# Altium PCB top.PcbDoc (part 5 of 5)
Units mil, origin at the board's own origin, x right, y up, seen from the top; angles counter-clockwise.
Board outline 12029.02 x 5828 mil, 2 copper layers (Top Layer, Bottom Layer); 703 components, 430 nets, 1840 pads, 2249 vias.
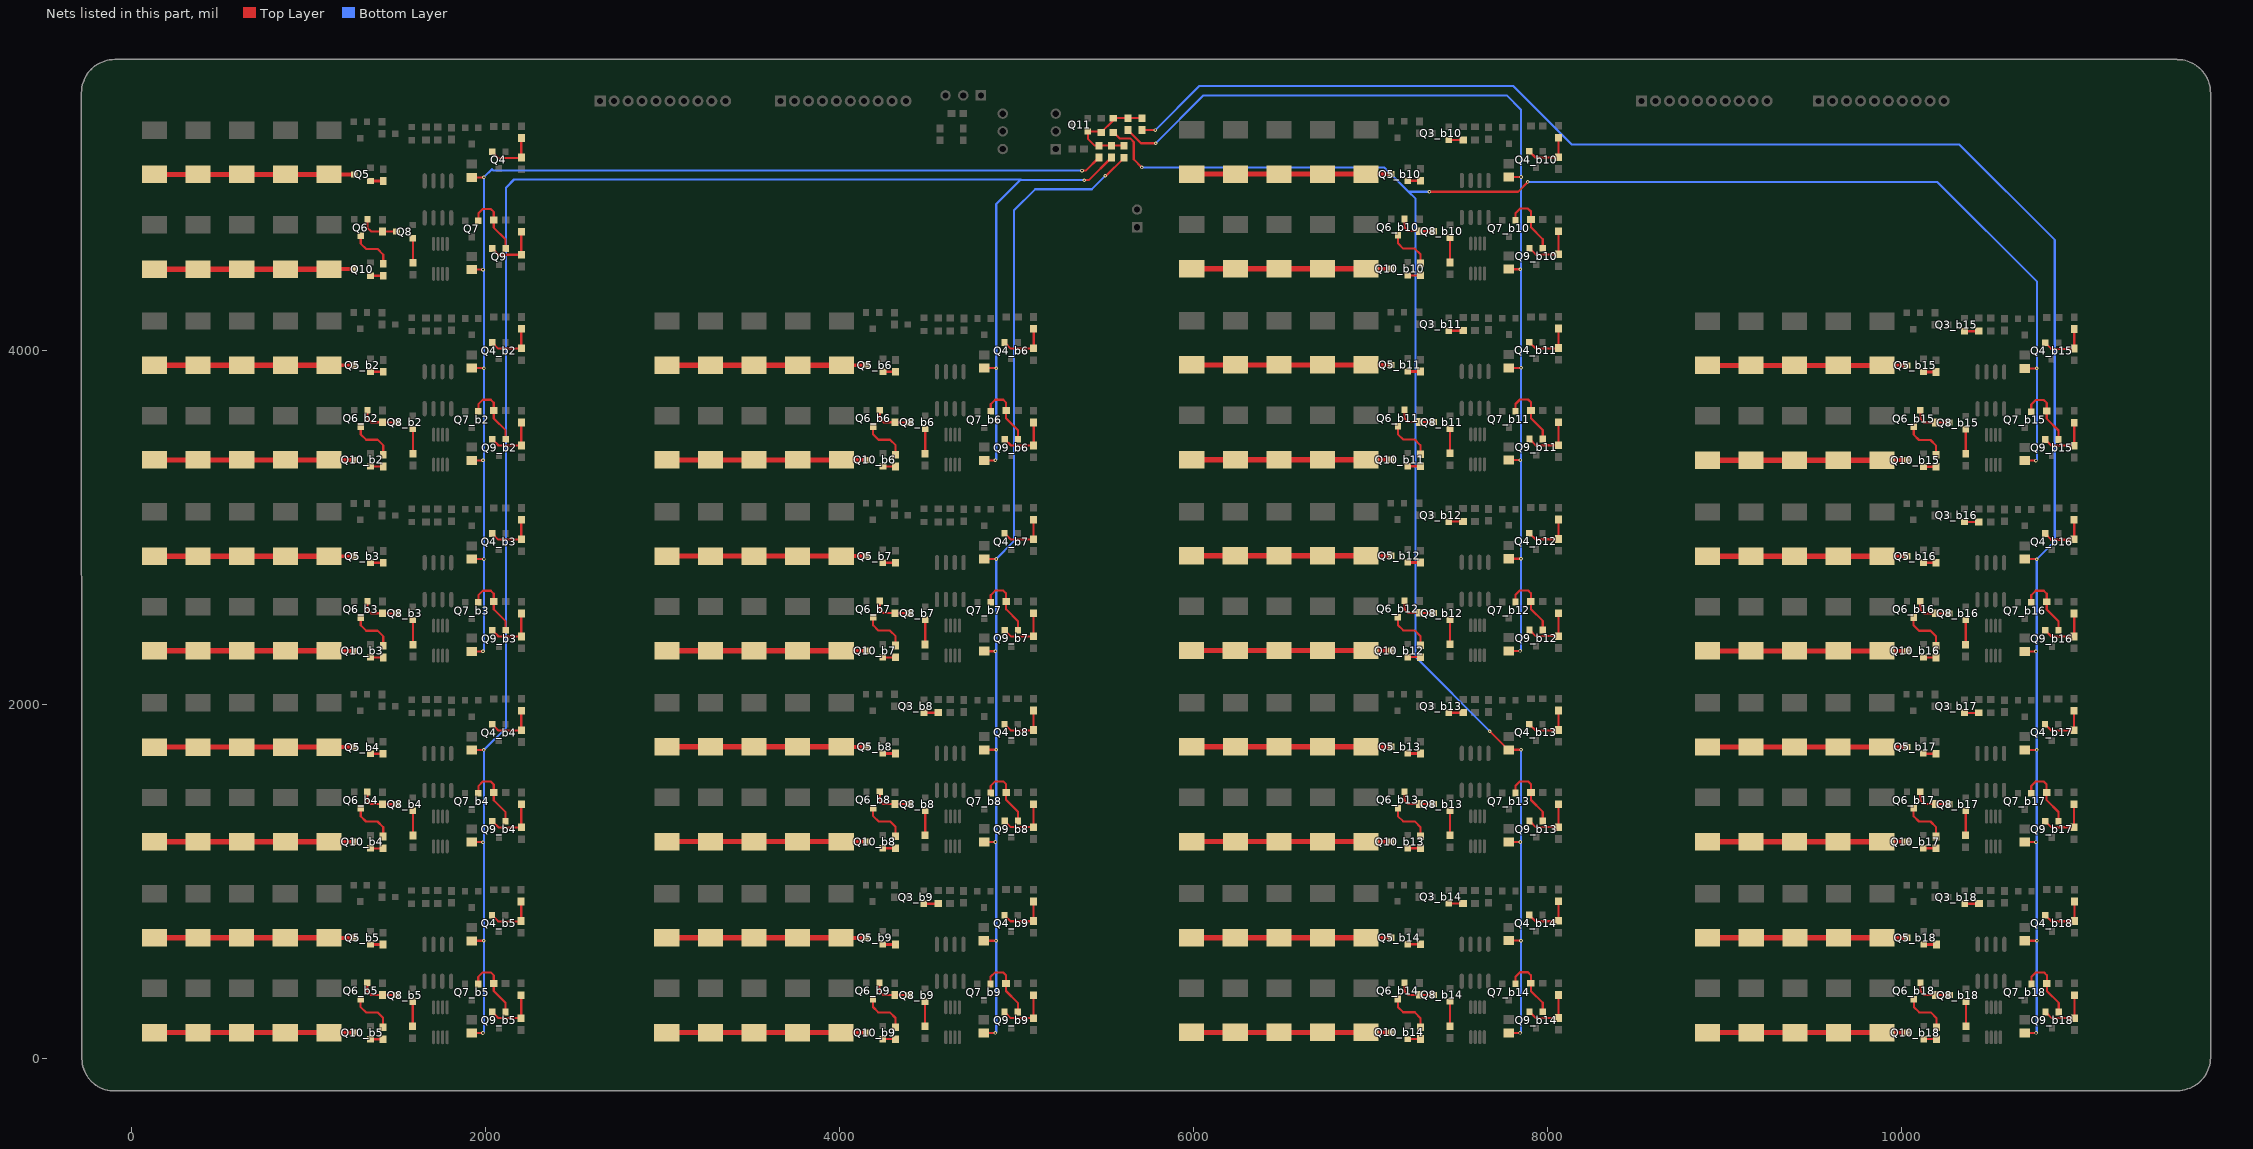
[diagram p5: the nets of this part, all layers, seen from the top]

## Via types
v1: diameter 20, hole 10, Top Layer to Bottom Layer, 2208 vias
v2: diameter 50, hole 28, Top Layer to Bottom Layer, 19 vias
v3: diameter 40, hole 20, Top Layer to Bottom Layer, 18 vias
v4: diameter 125.98, hole 125.98, Top Layer to Bottom Layer, 4 vias

## Nets (pads, with @x,y where several pads share a name; then routed paths per layer and width w, separated by ;. In a path a pad name is that pad's centre, name@x,y a point inside that pad or via, vN(x,y) a via of type N, cw(c..) or ccw(c..) an arc to the next point about the centre after c; other vN are vias at no path point) (continued)
NetQ3_b8_1: Q3_b8.1 R10_b8.1 | length 80.9
  Top Layer w12: Q3_b8.1@4479,1954.2 R10_b8.1@4559.87,1954.2
NetQ3_b9_1: Q3_b9.1 R10_b9.1 | length 80.9
  Top Layer w12: Q3_b9.1@4478,875.2 R10_b9.1@4558.87,875.2
NetQ3_b10_1: Q3_b10.1 R10_b10.1 | length 80.9
  Top Layer w12: Q3_b10.1@7444.13,5190.46 R10_b10.1@7525,5190.46
NetQ3_b11_1: Q3_b11.1 R10_b11.1 | length 80.9
  Top Layer w12: Q3_b11.1@7444,4112.2 R10_b11.1@7524.87,4112.2
NetQ3_b12_1: Q3_b12.1 R10_b12.1 | length 80.9
  Top Layer w12: Q3_b12.1@7443.72,3033.6 R10_b12.1@7524.6,3033.6
NetQ3_b13_1: Q3_b13.1 R10_b13.1 | length 80.9
  Top Layer w12: Q3_b13.1@7444,1954.2 R10_b13.1@7524.87,1954.2
NetQ3_b14_1: Q3_b14.1 R10_b14.1 | length 80.9
  Top Layer w12: Q3_b14.1@7443.72,875.74 R10_b14.1@7524.6,875.74
NetQ3_b15_1: Q3_b15.1 R10_b15.1 | length 80.9
  Top Layer w12: Q3_b15.1@10358.13,4109.46 R10_b15.1@10439,4109.46
NetQ3_b16_1: Q3_b16.1 R10_b16.1 | length 80.9
  Top Layer w12: Q3_b16.1@10358,3031.2 R10_b16.1@10438.87,3031.2
NetQ3_b17_1: Q3_b17.1 R10_b17.1 | length 80.9
  Top Layer w12: Q3_b17.1@10357.8,1953.6 R10_b17.1@10438.67,1953.6
NetQ3_b18_1: Q3_b18.1 R10_b18.1 | length 80.9
  Top Layer w12: Q3_b18.1@10359,875.2 R10_b18.1@10439.87,875.2
NetQ4_2: Q4.2 R8.1 R13.2 | length 290.8
  Top Layer w12: Q4.2@2039.6,5123.8 2074.3,5089.09 2204,5089.09 R13.2@2204,5091 R8.1@2204,5201.07
NetQ4_b2_2: Q4_b2.2 R8_b2.1 R13_b2.2 | length 290.8
  Top Layer w12: Q4_b2.2@2039.6,4045.72 2074.3,4011.02 2204,4011.02 R13_b2.2@2204,4012.93 R8_b2.1@2204,4123
NetQ4_b3_2: Q4_b3.2 R8_b3.1 R13_b3.2 | length 290.8
  Top Layer w12: Q4_b3.2@2039.6,2966.8 2074.3,2932.09 2204,2932.09 R13_b3.2@2204,2934 R8_b3.1@2204,3044.07
NetQ4_b4_2: Q4_b4.2 R8_b4.1 R13_b4.2 | length 290.8
  Top Layer w12: Q4_b4.2@2039.47,1888.46 2074.17,1853.76 2203.87,1853.76 R13_b4.2@2203.87,1855.66 R8_b4.1@2203.87,1965.73
NetQ4_b5_2: Q4_b5.2 R8_b5.1 R13_b5.2 | length 290.8
  Top Layer w12: Q4_b5.2@2039.06,810.33 2073.76,775.63 2203.46,775.63 R13_b5.2@2203.46,777.54 R8_b5.1@2203.46,887.61
NetQ4_b6_2: Q4_b6.2 R8_b6.1 R13_b6.2 | length 290.8
  Top Layer w12: Q4_b6.2@4934.6,4045.72 4969.3,4011.02 5099,4011.02 R13_b6.2@5099,4012.93 R8_b6.1@5099,4123
NetQ4_b7_2: Q4_b7.2 R8_b7.1 R13_b7.2 | length 290.8
  Top Layer w12: Q4_b7.2@4934.47,2967.46 4969.17,2932.76 5098.87,2932.76 R13_b7.2@5098.87,2934.66 R8_b7.1@5098.87,3044.73
NetQ4_b8_2: Q4_b8.2 R8_b8.1 R13_b8.2 | length 290.8
  Top Layer w12: Q4_b8.2@4934.47,1889.46 4969.17,1854.76 5098.87,1854.76 R13_b8.2@5098.87,1856.66 R8_b8.1@5098.87,1966.73
NetQ4_b9_2: Q4_b9.2 R8_b9.1 R13_b9.2 | length 290.8
  Top Layer w12: Q4_b9.2@4933.47,810.46 4968.17,775.76 5097.87,775.76 R13_b9.2@5097.87,777.66 R8_b9.1@5097.87,887.73
NetQ4_b10_2: Q4_b10.2 R8_b10.1 R13_b10.2 | length 290.8
  Top Layer w12: Q4_b10.2@7899.6,5125.72 7934.3,5091.02 8064,5091.02 R13_b10.2@8064,5092.93 R8_b10.1@8064,5203
NetQ4_b11_2: Q4_b11.2 R8_b11.1 R13_b11.2 | length 290.8
  Top Layer w12: Q4_b11.2@7899.47,4047.46 7934.17,4012.76 8063.87,4012.76 R13_b11.2@8063.87,4014.66 R8_b11.1@8063.87,4124.73
NetQ4_b12_2: Q4_b12.2 R8_b12.1 R13_b12.2 | length 290.8
  Top Layer w12: Q4_b12.2@7899.2,2968.86 7933.9,2934.16 8063.6,2934.16 R13_b12.2@8063.6,2936.06 R8_b12.1@8063.6,3046.13
NetQ4_b13_2: Q4_b13.2 R8_b13.1 R13_b13.2 | length 290.8
  Top Layer w12: Q4_b13.2@7899.47,1889.46 7934.17,1854.76 8063.87,1854.76 R13_b13.2@8063.87,1856.66 R8_b13.1@8063.87,1966.73
NetQ4_b14_2: Q4_b14.2 R8_b14.1 R13_b14.2 | length 290.8
  Top Layer w12: Q4_b14.2@7899.2,811 7933.9,776.3 8063.6,776.3 R13_b14.2@8063.6,778.2 R8_b14.1@8063.6,888.28
NetQ4_b15_2: Q4_b15.2 R8_b15.1 R13_b15.2 | length 290.8
  Top Layer w12: Q4_b15.2@10813.6,4044.72 10848.3,4010.02 10978,4010.02 R13_b15.2@10978,4011.93 R8_b15.1@10978,4122
NetQ4_b16_2: Q4_b16.2 R8_b16.1 R13_b16.2 | length 290.8
  Top Layer w12: Q4_b16.2@10813.47,2966.46 10848.17,2931.76 10977.87,2931.76 R13_b16.2@10977.87,2933.66 R8_b16.1@10977.87,3043.73
NetQ4_b17_2: Q4_b17.2 R8_b17.1 R13_b17.2 | length 290.8
  Top Layer w12: Q4_b17.2@10813.27,1888.86 10847.97,1854.16 10977.67,1854.16 R13_b17.2@10977.67,1856.06 R8_b17.1@10977.67,1966.13
NetQ4_b18_2: Q4_b18.2 R8_b18.1 R13_b18.2 | length 290.8
  Top Layer w12: Q4_b18.2@10814.47,810.46 10849.17,775.76 10978.87,775.76 R13_b18.2@10978.87,777.66 R8_b18.1@10978.87,887.73
NetQ5_1: Q5.1 R11.1 | length 71.7
  Top Layer w15: Q5.1@1352.26,4958.13 R11.1@1423.94,4958.13
NetQ5_3: Q5.3 R1.1 R2.1 R3.1 R4.1 R5.1 | length 1127.7
  Top Layer w22: R5.1@1117,4995.54 Q5.3@1259.74,4995.54
  Top Layer w30: R1.1@132,4995.54 R2.1@378.25,4995.54 R3.1@624.5,4995.54 R4.1@870.75,4995.54 R5.1@1117,4995.54
NetQ5_b2_1: Q5_b2.1 R11_b2.1 | length 71.7
  Top Layer w15: Q5_b2.1@1352.26,3880.06 R11_b2.1@1423.94,3880.06
NetQ5_b2_3: Q5_b2.3 R1_b2.1 R2_b2.1 R3_b2.1 R4_b2.1 R5_b2.1 | length 1127.7
  Top Layer w22: R5_b2.1@1117,3917.46 Q5_b2.3@1259.74,3917.46
  Top Layer w30: R1_b2.1@132,3917.46 R2_b2.1@378.25,3917.46 R3_b2.1@624.5,3917.46 R4_b2.1@870.75,3917.46 R5_b2.1@1117,3917.46
NetQ5_b3_1: Q5_b3.1 R11_b3.1 | length 71.7
  Top Layer w15: Q5_b3.1@1352.26,2801.13 R11_b3.1@1423.94,2801.13
NetQ5_b3_3: Q5_b3.3 R1_b3.1 R2_b3.1 R3_b3.1 R4_b3.1 R5_b3.1 | length 1127.7
  Top Layer w22: R5_b3.1@1117,2838.54 Q5_b3.3@1259.74,2838.54
  Top Layer w30: R1_b3.1@132,2838.54 R2_b3.1@378.25,2838.54 R3_b3.1@624.5,2838.54 R4_b3.1@870.75,2838.54 R5_b3.1@1117,2838.54
NetQ5_b4_1: Q5_b4.1 R11_b4.1 | length 71.7
  Top Layer w15: Q5_b4.1@1352.13,1722.79 R11_b4.1@1423.81,1722.79
NetQ5_b4_3: Q5_b4.3 R1_b4.1 R2_b4.1 R3_b4.1 R4_b4.1 R5_b4.1 | length 1127.7
  Top Layer w22: R5_b4.1@1116.87,1760.2 Q5_b4.3@1259.61,1760.2
  Top Layer w30: R1_b4.1@131.87,1760.2 R2_b4.1@378.12,1760.2 R3_b4.1@624.37,1760.2 R4_b4.1@870.62,1760.2 R5_b4.1@1116.87,1760.2
NetQ5_b5_1: Q5_b5.1 R11_b5.1 | length 71.7
  Top Layer w15: Q5_b5.1@1351.72,644.67 R11_b5.1@1423.4,644.67
NetQ5_b5_3: Q5_b5.3 R1_b5.1 R2_b5.1 R3_b5.1 R4_b5.1 R5_b5.1 | length 1127.7
  Top Layer w22: R5_b5.1@1116.46,682.07 Q5_b5.3@1259.2,682.07
  Top Layer w30: R1_b5.1@131.46,682.07 R2_b5.1@377.71,682.07 R3_b5.1@623.96,682.07 R4_b5.1@870.21,682.07 R5_b5.1@1116.46,682.07
NetQ5_b6_1: Q5_b6.1 R11_b6.1 | length 71.7
  Top Layer w15: Q5_b6.1@4247.26,3880.06 R11_b6.1@4318.94,3880.06
NetQ5_b6_3: Q5_b6.3 R1_b6.1 R2_b6.1 R3_b6.1 R4_b6.1 R5_b6.1 | length 1127.7
  Top Layer w22: R5_b6.1@4012,3917.46 Q5_b6.3@4154.74,3917.46
  Top Layer w30: R1_b6.1@3027,3917.46 R2_b6.1@3273.25,3917.46 R3_b6.1@3519.5,3917.46 R4_b6.1@3765.75,3917.46 R5_b6.1@4012,3917.46
NetQ5_b7_1: Q5_b7.1 R11_b7.1 | length 71.7
  Top Layer w15: Q5_b7.1@4247.13,2801.79 R11_b7.1@4318.81,2801.79
NetQ5_b7_3: Q5_b7.3 R1_b7.1 R2_b7.1 R3_b7.1 R4_b7.1 R5_b7.1 | length 1127.7
  Top Layer w22: R5_b7.1@4011.87,2839.2 Q5_b7.3@4154.61,2839.2
  Top Layer w30: R1_b7.1@3026.87,2839.2 R2_b7.1@3273.12,2839.2 R3_b7.1@3519.37,2839.2 R4_b7.1@3765.62,2839.2 R5_b7.1@4011.87,2839.2
NetQ5_b8_1: Q5_b8.1 R11_b8.1 | length 71.7
  Top Layer w15: Q5_b8.1@4247.13,1723.79 R11_b8.1@4318.81,1723.79
NetQ5_b8_3: Q5_b8.3 R1_b8.1 R2_b8.1 R3_b8.1 R4_b8.1 R5_b8.1 | length 1127.7
  Top Layer w22: R5_b8.1@4011.87,1761.2 Q5_b8.3@4154.61,1761.2
  Top Layer w30: R1_b8.1@3026.87,1761.2 R2_b8.1@3273.12,1761.2 R3_b8.1@3519.37,1761.2 R4_b8.1@3765.62,1761.2 R5_b8.1@4011.87,1761.2
NetQ5_b9_1: Q5_b9.1 R11_b9.1 | length 71.7
  Top Layer w15: Q5_b9.1@4246.13,644.79 R11_b9.1@4317.81,644.79
NetQ5_b9_3: Q5_b9.3 R1_b9.1 R2_b9.1 R3_b9.1 R4_b9.1 R5_b9.1 | length 1127.7
  Top Layer w22: R5_b9.1@4010.87,682.2 Q5_b9.3@4153.61,682.2
  Top Layer w30: R1_b9.1@3025.87,682.2 R2_b9.1@3272.12,682.2 R3_b9.1@3518.37,682.2 R4_b9.1@3764.62,682.2 R5_b9.1@4010.87,682.2
NetQ5_b10_1: Q5_b10.1 R11_b10.1 | length 71.7
  Top Layer w15: Q5_b10.1@7212.26,4960.06 R11_b10.1@7283.94,4960.06
NetQ5_b10_3: Q5_b10.3 R1_b10.1 R2_b10.1 R3_b10.1 R4_b10.1 R5_b10.1 | length 1127.7
  Top Layer w22: R5_b10.1@6977,4997.46 Q5_b10.3@7119.74,4997.46
  Top Layer w30: R1_b10.1@5992,4997.46 R2_b10.1@6238.25,4997.46 R3_b10.1@6484.5,4997.46 R4_b10.1@6730.75,4997.46 R5_b10.1@6977,4997.46
NetQ5_b11_1: Q5_b11.1 R11_b11.1 | length 71.7
  Top Layer w15: Q5_b11.1@7212.13,3881.79 R11_b11.1@7283.81,3881.79
NetQ5_b11_3: Q5_b11.3 R1_b11.1 R2_b11.1 R3_b11.1 R4_b11.1 R5_b11.1 | length 1127.7
  Top Layer w22: R5_b11.1@6976.87,3919.2 Q5_b11.3@7119.61,3919.2
  Top Layer w30: R1_b11.1@5991.87,3919.2 R2_b11.1@6238.12,3919.2 R3_b11.1@6484.37,3919.2 R4_b11.1@6730.62,3919.2 R5_b11.1@6976.87,3919.2
NetQ5_b12_1: Q5_b12.1 R11_b12.1 | length 71.7
  Top Layer w15: Q5_b12.1@7211.86,2803.2 R11_b12.1@7283.54,2803.2
NetQ5_b12_3: Q5_b12.3 R1_b12.1 R2_b12.1 R3_b12.1 R4_b12.1 R5_b12.1 | length 1127.7
  Top Layer w22: R5_b12.1@6976.6,2840.6 Q5_b12.3@7119.34,2840.6
  Top Layer w30: R1_b12.1@5991.6,2840.6 R2_b12.1@6237.85,2840.6 R3_b12.1@6484.1,2840.6 R4_b12.1@6730.35,2840.6 R5_b12.1@6976.6,2840.6
NetQ5_b13_1: Q5_b13.1 R11_b13.1 | length 71.7
  Top Layer w15: Q5_b13.1@7212.13,1723.79 R11_b13.1@7283.81,1723.79
NetQ5_b13_3: Q5_b13.3 R1_b13.1 R2_b13.1 R3_b13.1 R4_b13.1 R5_b13.1 | length 1127.7
  Top Layer w22: R5_b13.1@6976.87,1761.2 Q5_b13.3@7119.61,1761.2
  Top Layer w30: R1_b13.1@5991.87,1761.2 R2_b13.1@6238.12,1761.2 R3_b13.1@6484.37,1761.2 R4_b13.1@6730.62,1761.2 R5_b13.1@6976.87,1761.2
NetQ5_b14_1: Q5_b14.1 R11_b14.1 | length 71.7
  Top Layer w15: Q5_b14.1@7211.86,645.34 R11_b14.1@7283.54,645.34
NetQ5_b14_3: Q5_b14.3 R1_b14.1 R2_b14.1 R3_b14.1 R4_b14.1 R5_b14.1 | length 1127.7
  Top Layer w22: R5_b14.1@6976.6,682.74 Q5_b14.3@7119.34,682.74
  Top Layer w30: R1_b14.1@5991.6,682.74 R2_b14.1@6237.85,682.74 R3_b14.1@6484.1,682.74 R4_b14.1@6730.35,682.74 R5_b14.1@6976.6,682.74
NetQ5_b15_1: Q5_b15.1 R11_b15.1 | length 71.7
  Top Layer w15: Q5_b15.1@10126.26,3879.06 R11_b15.1@10197.94,3879.06
NetQ5_b15_3: Q5_b15.3 R1_b15.1 R2_b15.1 R3_b15.1 R4_b15.1 R5_b15.1 | length 1127.7
  Top Layer w22: R5_b15.1@9891,3916.46 Q5_b15.3@10033.74,3916.46
  Top Layer w30: R1_b15.1@8906,3916.46 R2_b15.1@9152.25,3916.46 R3_b15.1@9398.5,3916.46 R4_b15.1@9644.75,3916.46 R5_b15.1@9891,3916.46
NetQ5_b16_1: Q5_b16.1 R11_b16.1 | length 71.7
  Top Layer w15: Q5_b16.1@10126.13,2800.79 R11_b16.1@10197.81,2800.79
NetQ5_b16_3: Q5_b16.3 R1_b16.1 R2_b16.1 R3_b16.1 R4_b16.1 R5_b16.1 | length 1127.7
  Top Layer w22: R5_b16.1@9890.87,2838.2 Q5_b16.3@10033.61,2838.2
  Top Layer w30: R1_b16.1@8905.87,2838.2 R2_b16.1@9152.12,2838.2 R3_b16.1@9398.37,2838.2 R4_b16.1@9644.62,2838.2 R5_b16.1@9890.87,2838.2
NetQ5_b17_1: Q5_b17.1 R11_b17.1 | length 71.7
  Top Layer w15: Q5_b17.1@10125.93,1723.2 R11_b17.1@10197.61,1723.2
NetQ5_b17_3: Q5_b17.3 R1_b17.1 R2_b17.1 R3_b17.1 R4_b17.1 R5_b17.1 | length 1127.7
  Top Layer w22: R5_b17.1@9890.67,1760.6 Q5_b17.3@10033.41,1760.6
  Top Layer w30: R1_b17.1@8905.67,1760.6 R2_b17.1@9151.92,1760.6 R3_b17.1@9398.17,1760.6 R4_b17.1@9644.42,1760.6 R5_b17.1@9890.67,1760.6
NetQ5_b18_1: Q5_b18.1 R11_b18.1 | length 71.7
  Top Layer w15: Q5_b18.1@10127.13,644.79 R11_b18.1@10198.81,644.79
NetQ5_b18_3: Q5_b18.3 R1_b18.1 R2_b18.1 R3_b18.1 R4_b18.1 R5_b18.1 | length 1127.7
  Top Layer w22: R5_b18.1@9891.87,682.2 Q5_b18.3@10034.61,682.2
  Top Layer w30: R1_b18.1@8906.87,682.2 R2_b18.1@9153.12,682.2 R3_b18.1@9399.37,682.2 R4_b18.1@9645.62,682.2 R5_b18.1@9891.87,682.2
NetQ6_1: Q6.1 Q8.3 R19.1 | length 221.1
  Top Layer w12: Q6.1@1334.4,4741.8 1334.4,4693.94 1355.27,4673.07 R19.1@1420,4673.07 1420.54,4672.54 Q8.3@1498.74,4672.54
NetQ6_3: Q6.3 R23.2 | length 250
  Top Layer w12: Q6.3@1297,4649.28 1297,4604.54 1327,4574.54 1392,4574.54 1424,4542.54 R23.2@1424,4490
NetQ6_b2_1: Q6_b2.1 Q8_b2.3 R19_b2.1 | length 221.1
  Top Layer w12: Q6_b2.1@1334.4,3663.72 1334.4,3615.87 1355.27,3595 R19_b2.1@1420,3595 1420.54,3594.46 Q8_b2.3@1498.74,3594.46
NetQ6_b2_3: Q6_b2.3 R23_b2.2 | length 250
  Top Layer w12: Q6_b2.3@1297,3571.2 1297,3526.46 1327,3496.46 1392,3496.46 1424,3464.46 R23_b2.2@1424,3411.93
NetQ6_b3_1: Q6_b3.1 Q8_b3.3 R19_b3.1 | length 221.1
  Top Layer w12: Q6_b3.1@1334.4,2584.8 1334.4,2536.94 1355.27,2516.07 R19_b3.1@1420,2516.07 1420.54,2515.54 Q8_b3.3@1498.74,2515.54
NetQ6_b3_3: Q6_b3.3 R23_b3.2 | length 250
  Top Layer w12: Q6_b3.3@1297,2492.28 1297,2447.54 1327,2417.54 1392,2417.54 1424,2385.54 R23_b3.2@1424,2333
NetQ6_b4_1: Q6_b4.1 Q8_b4.3 R19_b4.1 | length 221.1
  Top Layer w12: Q6_b4.1@1334.28,1506.46 1334.28,1458.6 1355.14,1437.73 R19_b4.1@1419.87,1437.73 1420.41,1437.2 Q8_b4.3@1498.61,1437.2
NetQ6_b4_3: Q6_b4.3 R23_b4.2 | length 250
  Top Layer w12: Q6_b4.3@1296.87,1413.94 1296.87,1369.2 1326.87,1339.2 1391.87,1339.2 1423.87,1307.2 R23_b4.2@1423.87,1254.66
NetQ6_b5_1: Q6_b5.1 Q8_b5.3 R19_b5.1 | length 221.1
  Top Layer w12: Q6_b5.1@1333.87,428.33 1333.87,380.47 1354.73,359.61 R19_b5.1@1419.46,359.61 1420,359.07 Q8_b5.3@1498.2,359.07
NetQ6_b5_3: Q6_b5.3 R23_b5.2 | length 250
  Top Layer w12: Q6_b5.3@1296.46,335.81 1296.46,291.07 1326.46,261.07 1391.46,261.07 1423.46,229.07 R23_b5.2@1423.46,176.54
NetQ6_b6_1: Q6_b6.1 Q8_b6.3 R19_b6.1 | length 221.1
  Top Layer w12: Q6_b6.1@4229.4,3663.72 4229.4,3615.87 4250.27,3595 R19_b6.1@4315,3595 4315.54,3594.46 Q8_b6.3@4393.74,3594.46
NetQ6_b6_3: Q6_b6.3 R23_b6.2 | length 250
  Top Layer w12: Q6_b6.3@4192,3571.2 4192,3526.46 4222,3496.46 4287,3496.46 4319,3464.46 R23_b6.2@4319,3411.93
NetQ6_b7_1: Q6_b7.1 Q8_b7.3 R19_b7.1 | length 221.1
  Top Layer w12: Q6_b7.1@4229.28,2585.46 4229.28,2537.6 4250.14,2516.73 R19_b7.1@4314.87,2516.73 4315.41,2516.2 Q8_b7.3@4393.61,2516.2
NetQ6_b7_3: Q6_b7.3 R23_b7.2 | length 250
  Top Layer w12: Q6_b7.3@4191.87,2492.94 4191.87,2448.2 4221.87,2418.2 4286.87,2418.2 4318.87,2386.2 R23_b7.2@4318.87,2333.66
NetQ6_b8_1: Q6_b8.1 Q8_b8.3 R19_b8.1 | length 221.1
  Top Layer w12: Q6_b8.1@4229.28,1507.46 4229.28,1459.6 4250.14,1438.73 R19_b8.1@4314.87,1438.73 4315.41,1438.2 Q8_b8.3@4393.61,1438.2
NetQ6_b8_3: Q6_b8.3 R23_b8.2 | length 250
  Top Layer w12: Q6_b8.3@4191.87,1414.94 4191.87,1370.2 4221.87,1340.2 4286.87,1340.2 4318.87,1308.2 R23_b8.2@4318.87,1255.66
NetQ6_b9_1: Q6_b9.1 Q8_b9.3 R19_b9.1 | length 221.1
  Top Layer w12: Q6_b9.1@4228.28,428.46 4228.28,380.6 4249.14,359.73 R19_b9.1@4313.87,359.73 4314.41,359.2 Q8_b9.3@4392.61,359.2
NetQ6_b9_3: Q6_b9.3 R23_b9.2 | length 250
  Top Layer w12: Q6_b9.3@4190.87,335.94 4190.87,291.2 4220.87,261.2 4285.87,261.2 4317.87,229.2 R23_b9.2@4317.87,176.66
NetQ6_b10_1: Q6_b10.1 Q8_b10.3 R19_b10.1 | length 221.1
  Top Layer w12: Q6_b10.1@7194.4,4743.72 7194.4,4695.87 7215.27,4675 R19_b10.1@7280,4675 7280.54,4674.46 Q8_b10.3@7358.74,4674.46
NetQ6_b10_3: Q6_b10.3 R23_b10.2 | length 250
  Top Layer w12: Q6_b10.3@7157,4651.2 7157,4606.46 7187,4576.46 7252,4576.46 7284,4544.46 R23_b10.2@7284,4491.93
NetQ6_b11_1: Q6_b11.1 Q8_b11.3 R19_b11.1 | length 221.1
  Top Layer w12: Q6_b11.1@7194.28,3665.46 7194.28,3617.6 7215.14,3596.73 R19_b11.1@7279.87,3596.73 7280.41,3596.2 Q8_b11.3@7358.61,3596.2
NetQ6_b11_3: Q6_b11.3 R23_b11.2 | length 250
  Top Layer w12: Q6_b11.3@7156.87,3572.94 7156.87,3528.2 7186.87,3498.2 7251.87,3498.2 7283.87,3466.2 R23_b11.2@7283.87,3413.66
NetQ6_b12_1: Q6_b12.1 Q8_b12.3 R19_b12.1 | length 221.1
  Top Layer w12: Q6_b12.1@7194,2586.86 7194,2539 7214.87,2518.13 R19_b12.1@7279.6,2518.13 7280.13,2517.6 Q8_b12.3@7358.34,2517.6
NetQ6_b12_3: Q6_b12.3 R23_b12.2 | length 250
  Top Layer w12: Q6_b12.3@7156.6,2494.34 7156.6,2449.6 7186.6,2419.6 7251.6,2419.6 7283.6,2387.6 R23_b12.2@7283.6,2335.06
NetQ6_b13_1: Q6_b13.1 Q8_b13.3 R19_b13.1 | length 221.1
  Top Layer w12: Q6_b13.1@7194.28,1507.46 7194.28,1459.6 7215.14,1438.73 R19_b13.1@7279.87,1438.73 7280.41,1438.2 Q8_b13.3@7358.61,1438.2
NetQ6_b13_3: Q6_b13.3 R23_b13.2 | length 250
  Top Layer w12: Q6_b13.3@7156.87,1414.94 7156.87,1370.2 7186.87,1340.2 7251.87,1340.2 7283.87,1308.2 R23_b13.2@7283.87,1255.66
NetQ6_b14_1: Q6_b14.1 Q8_b14.3 R19_b14.1 | length 221.1
  Top Layer w12: Q6_b14.1@7194,429 7194,381.14 7214.87,360.28 R19_b14.1@7279.6,360.28 7280.13,359.74 Q8_b14.3@7358.34,359.74
NetQ6_b14_3: Q6_b14.3 R23_b14.2 | length 250
  Top Layer w12: Q6_b14.3@7156.6,336.48 7156.6,291.74 7186.6,261.74 7251.6,261.74 7283.6,229.74 R23_b14.2@7283.6,177.2
NetQ6_b15_1: Q6_b15.1 Q8_b15.3 R19_b15.1 | length 221.1
  Top Layer w12: Q6_b15.1@10108.4,3662.72 10108.4,3614.87 10129.27,3594 R19_b15.1@10194,3594 10194.54,3593.46 Q8_b15.3@10272.74,3593.46
NetQ6_b15_3: Q6_b15.3 R23_b15.2 | length 250
  Top Layer w12: Q6_b15.3@10071,3570.2 10071,3525.46 10101,3495.46 10166,3495.46 10198,3463.46 R23_b15.2@10198,3410.93
NetQ6_b16_1: Q6_b16.1 Q8_b16.3 R19_b16.1 | length 221.1
  Top Layer w12: Q6_b16.1@10108.28,2584.46 10108.28,2536.6 10129.14,2515.73 R19_b16.1@10193.87,2515.73 10194.41,2515.2 Q8_b16.3@10272.61,2515.2
NetQ6_b16_3: Q6_b16.3 R23_b16.2 | length 250
  Top Layer w12: Q6_b16.3@10070.87,2491.94 10070.87,2447.2 10100.87,2417.2 10165.87,2417.2 10197.87,2385.2 R23_b16.2@10197.87,2332.66